# Altium PCB AL1000.PcbDoc (part 3 of 8) (continued)
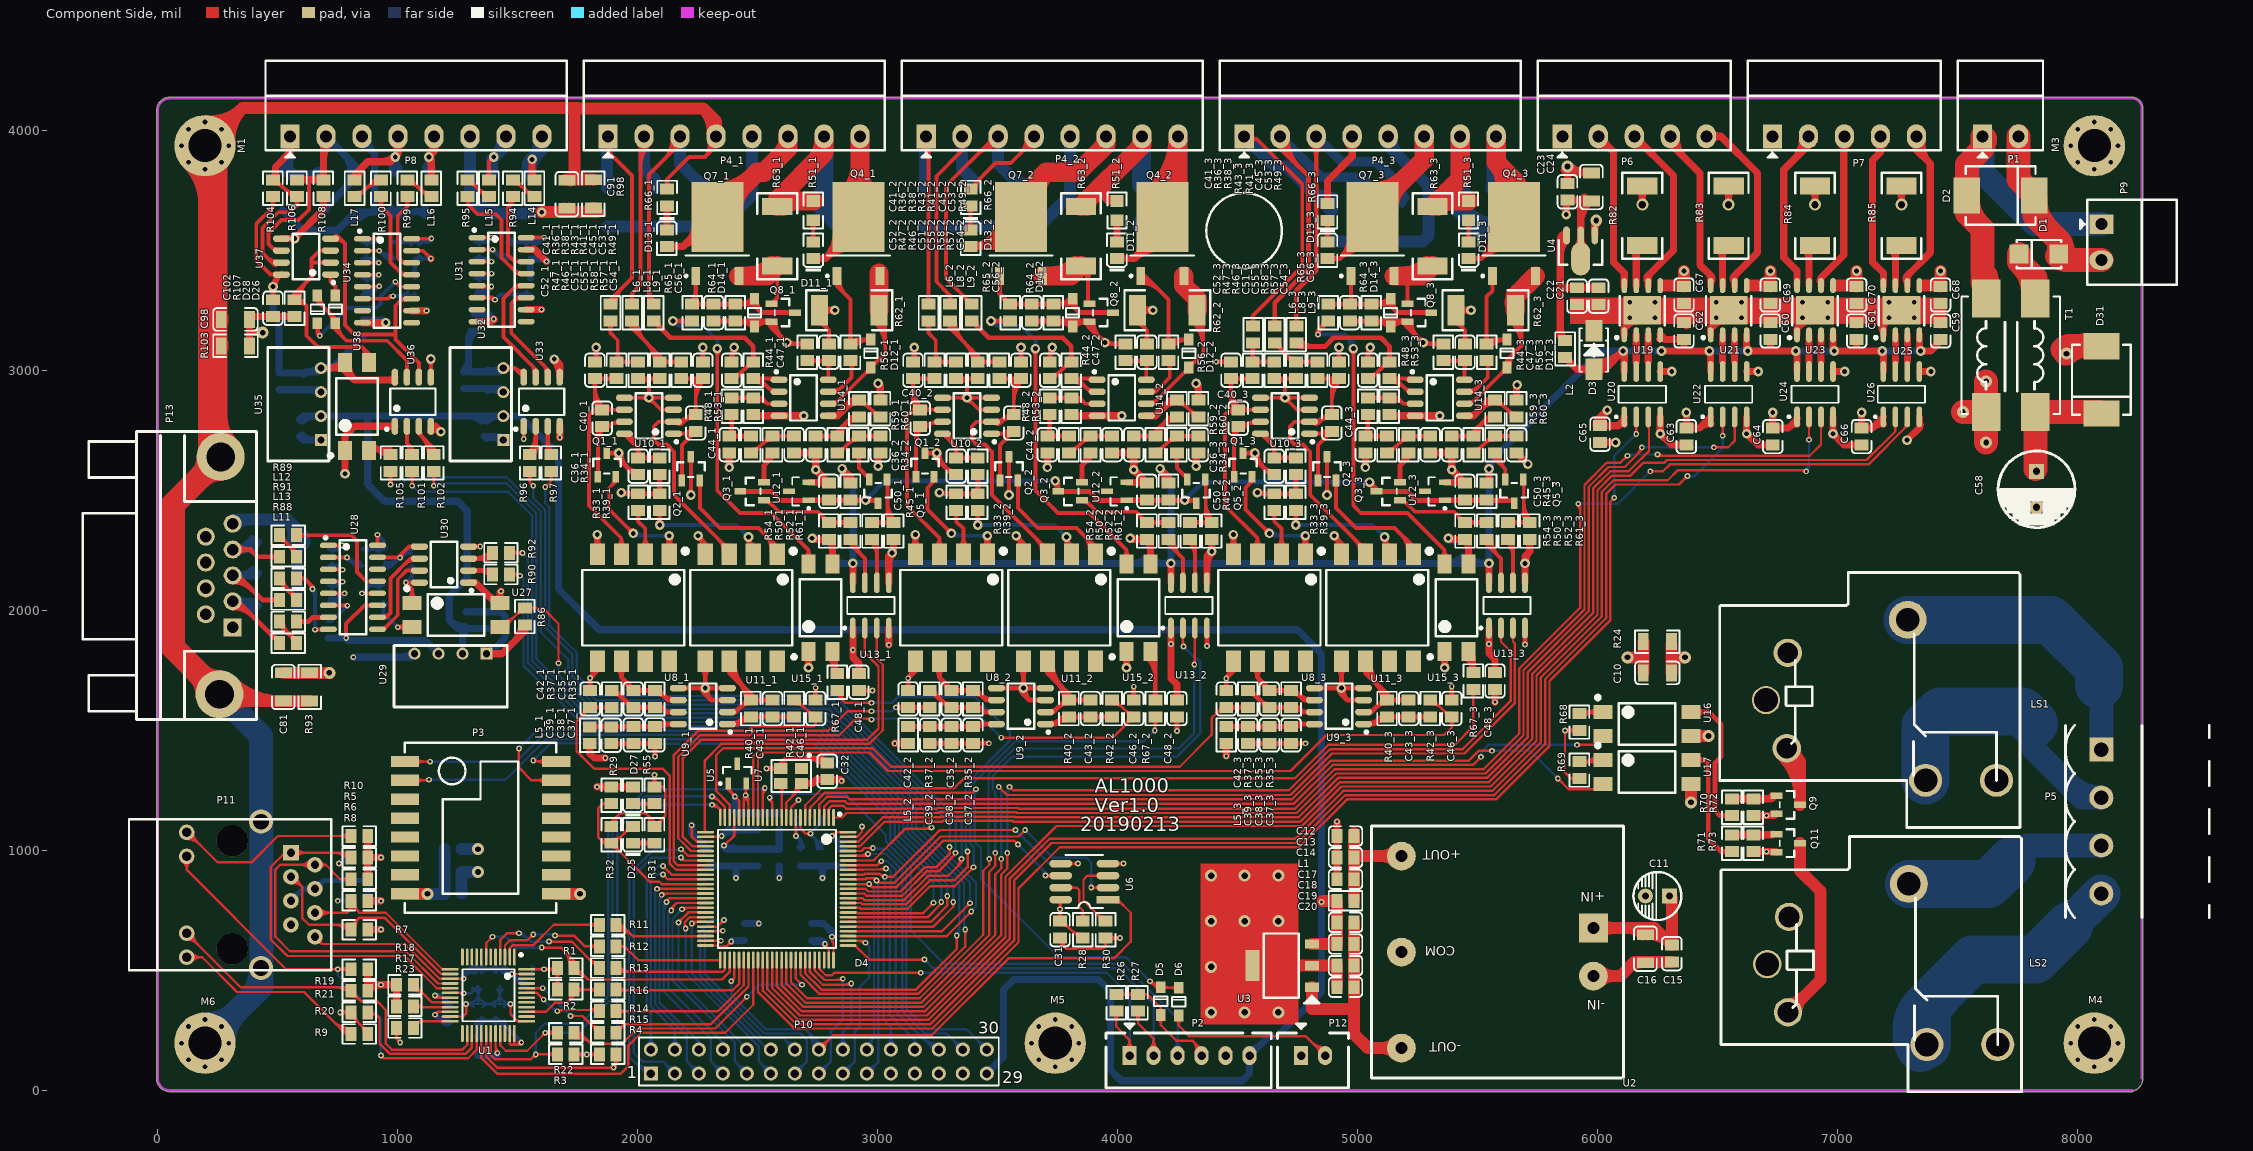
[diagram p0: Component Side view]
## Nets (pads, with @x,y where several pads share a name; then routed paths per layer and width w, separated by ;. In a path a pad name is that pad's centre, name@x,y a point inside that pad or via, vN(x,y) a via of type N, cw(c..) or ccw(c..) an arc to the next point about the centre after c; other vN are vias at no path point) (continued)
  Component Side w50: M1.5@124.05,3864.21 cw(c-216.23,3523.93) 265,3523.93 ; M1.5@127.95,3868.11 M1.1@196.85,3937.01 M1.7@265,4005.16 ; M1.1@159.41,3899.56 cw(c-95.52,3644.64) 265,3644.64 ; M1.1@194.76,3934.92 cw(c25.19,3765.35) 265,3765.35 ; M1.2@205.46,4039.6 ccw(c221.14,4226.4) 353.69,4093.85 ; P13.10@208.97,2693.03 ccw(c73.69,2828.31) 265,2828.31 ; P13.10@262,2640 265,2643 R103.2@265,3102.99 C98.2@265,3212.99 M1.7@265,4005.16 ; 265,2813.82 ccw(c435.82,2813.82) P13.10@315.03,2693.03 ; M1.8@265,3876.75 cw(c355.54,3876.75) M1.3@291.52,3940.77 ; M1.7@265,3997.27 ccw(c355.54,3997.27) M1.3@291.52,3933.25 ; P13.11@274.68,1668.68 ccw(c385.73,1779.73) 385.73,1622.68 ; P13.11@285.32,1622.68 C81.2@522.99,1622.68 R93.2@632.99,1622.68 ; M1.3@299.44,3945.62 cw(c486.25,3961.29) 353.69,4093.85 ; P13.11@310.03,1597.97 cw(c369.69,1538.31) 369.69,1622.68 ; P13.11@310.03,1704.03 ccw(c506.44,1900.44) C81.2@506.44,1622.68 ; C91.2@1702.01,3796.65 C91.2@1737.01,3796.65 ; C91.2@1720.14,3791.71 ccw(c1679.41,3832.44) 1737.01,3832.44 ; 1750,4093.86 353.7,4093.86 ; R98.2@1815,3795 1813.35,3796.65 C91.2@1737.01,3796.65 ; P4_1.4@2311.81,3987.41 ccw(c2176.64,3996.75) 2272.44,4092.56 ; P4_1.4@2326.77,3976.38 2326.77,4038.23 2272.44,4092.56 ; U2.2@5982.99,476.32 6095,476.32 6153.64,534.96 C15.1@6310,534.96 ; U2.2@6007.74,451.57 cw(c6067.49,391.83) 6067.49,476.32 cw(c6067.49,560.82) U2.2@6007.74,501.07 ; 6128.7,510.02 cw(c6186.81,451.91) C16.1@6186.81,534.09 ; C10.2@6308.66,1740 6308.66,1805 ; R24.2@6308.66,1860 6308.66,1805 ; v3(6365,1805) 6308.66,1805 ; v3(6389.41,1200.59) U17.3@6389.41,1277.01 ; U16.3@6389.41,1477.01 v3(6462.99,1477.01) ; M1.7@265,4005.16 M1.7@265.75,4005.91 353.7,4093.86 ; C91.2@1737.01,3796.65 1737.01,4092.56 2272.44,4092.56
  Component Side w100: M1.5@141.73,3881.89 cw(c-41.01,3699.15) 217.42,3699.15 ; M1.1@196.85,3937.01 217.42,3916.44 217.42,2684.58 P13.10@262,2640 63,2441 63,1845 P13.11@257,1651 P13.11@285.32,1622.68 ; P13.11@207,1651 ccw(c86.29,1651) 171.64,1736.36 ccw(c257,1821.71) P13.11@257,1701 ; P13.10@212,2640 cw(c91.29,2640) 176.64,2554.64 cw(c262,2469.29) P13.10@262,2590 ; 217.42,2868.33 ccw(c490.33,2868.33) P13.10@297.36,2675.36 ; 217.42,3041.95 cw(c312.86,3041.95) R103.2@245.37,3109.43 ; 217.42,3151.95 cw(c312.86,3151.95) C98.2@245.37,3219.43 ; 217.42,3164.04 ccw(c312.86,3164.04) R103.2@245.37,3096.55 ; 217.42,3274.04 ccw(c312.86,3274.04) C98.2@245.37,3206.55 ; 217.42,3798.48 cw(c335.38,3798.48) M1.8@251.97,3881.89 ; v3(7522.56,2827.56) T1.1@7620,2827.56 ; v3(7620,2700) T1.1@7620,2827.56 ; v3(7620,2955) T1.1@7620,2827.56 ; v3@7950,3070 v3(7955,3070) ; D31.1@8078.28,3097.21 ccw(c8037.96,2987.05) v3(7955,3070) ; D31.1@8100,3101.91 7986.91,3101.91 v3(7955,3070) ; 7937.32,3087.68 cw(c7971.68,3053.32) 7971.68,3101.91 ccw(c7971.68,3053.32) 7937.32,3087.68
  Solder Side w30: C49_1.1@2788.17,2274.69 ccw(c2726.78,2217.41) v2(2726.77,2301.38) 2778.66,2301.38 C49_1.1@2800,2280.04 ; C49_2.1@4113.13,2274.7 ccw(c4052.37,2218.84) v2(4052.36,2301.38) 4103.62,2301.38 C49_2.1@4125,2280 ; v2(5377.95,2301.38) 5389.29,2290.04 C49_3.1@5450,2290.04 ; v2@5381.49,2304.91 ccw(c5417.4,2340.82) 5417.4,2290.04
  Solder Side w50: D10_1.1@1871.77,3600.28 D9_1.1@2074.27,3600.28 D8_1.1@2276.77,3600.28 2345.67,3600.28 2476.77,3731.38 P4_1.5@2476.77,3976.38 ; D10_2.1@3197.36,3600.28 D9_2.1@3399.86,3600.28 D8_2.1@3602.36,3600.28 3671.26,3600.28 3802.36,3731.38 P4_2.5@3802.36,3976.38 ; D10_3.1@4895,3538.5 D9_3.1@5040,3538.5 D8_3.1@5185,3538.5 5273.5,3538.5 5295,3560 5295,3770 5127.95,3937.05 P4_3.5@5127.95,3976.38 ; P4_3.5@5142.95,3966.38 ccw(c5249.98,3966.38) 5174.3,3890.7
  Solder Side w100: M6.1@196.85,196.85 M6.7@265.75,265.75 433,433 433,1117 P11.13@430,1120 430,1478 P13.11@257,1651 63,1845 63,2441 P13.10@262,2640 ; M6.1@196.85,274.8 ccw(c196.85,463) 329.92,329.92 ccw(c463,196.85) M6.1@274.8,196.85 ; P13.11@207,1651 ccw(c86.29,1651) 171.64,1736.36 ccw(c257,1821.71) P13.11@257,1701 ; P13.10@212,2640 cw(c91.29,2640) 176.64,2554.64 cw(c262,2469.29) P13.10@262,2590 ; P13.11@257,1601 cw(c257,1480.29) 342.36,1565.64 cw(c427.71,1651) P13.11@307,1651 ; 373.43,373.43 ccw(c236.86,510) P11.14@430,510
  other v2: 5665,2940 6135,3220 6240,3220 6495,3220 6600,3220 6855,3220 6960,3220 7215,3220 7320,3220 6135,3285 6240,3285 6495,3285 6600,3285 6855,3285 6960,3285 7215,3285 7320,3285
GRS1: C74.2 C75.2 C78.2 C79.1 C80.1 C81.1 D15.1 D16.1 D17.1 P13.5 R93.1 U28.11 U28.15 U29.3 U30.5 | length 2352.2
  Component Side w16: v1(785.04,1884.96) 785.04,1945.04 861.34,2021.34 U28.11@915.51,2021.34 ; U28.15@915.51,2221.34 v1@1001.34,2221.34 ; 997.11,2221.34 cw(c997.11,2207.11) v1@1007.17,2217.17 ; v1@1005,2225 1046.34,2266.34 U30.5@1090.63,2266.34 ; v1@1014,2220 cw(c1047.8,2220) 1023.9,2243.9 ; U30.5@1064.89,2262.25 ccw(c1055.02,2252.39) 1055.02,2266.34 ccw(c1055.02,2280.29) U30.5@1064.89,2270.43
  Component Side w50: C81.1@522.99,1740 R93.1@632.99,1740 v3(715,1740)
  Solder Side w16: C74.2@942.99,2186.3 976.3,2186.3 ; C74.2@945.93,2183.81 ccw(c953.11,2231.97) 987.54,2197.54 ; C74.2@948.29,2199.63 ccw(c958.93,2271.06) v1(1010,2220) ; C74.2@957.16,2194.86 ccw(c976.3,2211.99) 976.3,2186.3 ; C74.2@958.45,2176.74 cw(c976.3,2164.86) 976.3,2186.3 ; v1@1013.45,2223.45 cw(c1053.9,2183.01) C75.2@1053.9,2240.2 ; v1@1013.86,2218.96 cw(c1027.36,2215.35) 1020.37,2227.45 ; C75.2@1060,2255.04 1045.04,2255.04 v1(1010,2220) ; 976.3,2186.3 v1(1010,2220)
  Solder Side w30: C80.1@710,1884.96 v1(785.04,1884.96) 794.96,1875.04 C79.1@880,1875.04 C78.2@970,1875.04 1114.96,1875.04 U29.3@1170,1820 ; v1@782.92,1882.84 ccw(c801.75,1901.67) 801.75,1875.04
  Solder Side w50: P13.5@312,2362 330,2380 540,2380 ; P13.5@320.84,2353.16 cw(c385.63,2288.37) 385.63,2380 ; D16.1@561.57,2293.07 ccw(c478.64,2318.64) 540,2380 ; D17.1@581.1,2020 D15.1@581.1,2155 D16.1@581.1,2290 581.1,2338.9 540,2380 ; D16.1@598.69,2321.31 cw(c568.35,2290.98) D16.1@609.35,2278.34
GRS2: C85.2 C86.2 C88.2 C89.1 C90.1 C91.1 D18.1 D19.1 P8.6 R98.1 U31.8 U31.10 U31.15 U32.3 U33.5 | length 2031.8
  Component Side w30: U31.8@1330.63,3203.86 1388.86,3203.86 v1(1400,3215) ; 1380.34,3203.86 ccw(c1380.34,3234.66) v1@1402.12,3212.88 ; U31.10@1535.35,3253.86 v1(1598.86,3253.86) ; U31.15@1535.35,3503.86 1571.14,3503.86 v1(1620,3455) ; U31.15@1558.98,3507.05 cw(c1558.98,3485.38) 1574.3,3500.7 ; v2@1648.96,3043.96 cw(c1586.11,2981.11) U33.5@1675,2981.11 ; v2@1651.78,3042.55 cw(c1647.84,3015.68) 1675,3015.68 ; v2(1652.5,3047.5) 1675,3025 U33.5@1675,2972.36
  Component Side w50: v2(1600,3660) R98.1@1797.32,3660 ; 1659.02,3660 ccw(c1659.02,3709.13) C91.1@1693.76,3674.39 ; C91.1@1716.24,3674.39 ccw(c1750.98,3709.13) 1750.98,3660 ; 1765.79,3660 ccw(c1765.79,3713.7) R98.1@1803.76,3675.73 ; R98.1@1815,3677.68 R98.1@1797.32,3660 ; R98.1@1832.32,3660 R98.1@1797.32,3660
  Solder Side w30: C89.1@1275,2924.96 C86.2@1365,2924.96 1425.04,2924.96 U32.3@1440,2910 ; C85.2@1320,3235.08 1379.92,3235.08 v1(1400,3215) ; C86.2@1375.02,2918.18 cw(c1388.29,2895.19) 1395.16,2920.83 ; C86.2@1379.74,2924.96 cw(c1379.74,2849.74) U32.3@1432.93,2902.93 ; C90.1@1552.99,3386.38 1552.99,3462.99 C88.2@1555,3465 ; 1552.99,3441.24 cw(c1578.76,3441.24) C88.2@1560.54,3459.46 ; C88.2@1565,3464.96 1610.04,3464.96 v1(1620,3455) ; 1603.2,3464.96 cw(c1603.2,3438.2) v1@1622.12,3457.12
  Solder Side w50: P8.6@1301.18,3976.38 1301.18,3725 1372.32,3653.86 D18.1@1392.99,3653.86 D19.1@1542.99,3653.86 1549.13,3660 v2(1600,3660) ; 1323.57,3702.62 ccw(c1392.99,3772.04) D18.1@1392.99,3673.86
GRS3: C95.2 C96.2 C97.1 C98.1 C100.2 C101.1 C102.1 D20.1 D21.1 D23.1 D24.1 P8.3 R103.1 R107.2 R108.2 U34.8 U34.10 U34.15 U35.3 U36.5 U37.5 | length 3233.9
  Component Side w16: U34.15@1057.72,3499.41 1104.92,3499.41 v1(1138.03,3466.3) ; v2@1129.51,3039.51 cw(c1109.02,3019.02) 1137.99,3019.02 cw(c1166.96,3019.02) v2@1146.48,3039.51 ; U36.5@1133.91,2998.1 ccw(c1124.04,3007.97) 1137.99,3007.97 ccw(c1151.95,3007.97) U36.5@1142.08,2998.1 ; U36.5@1137.99,2972.36 v2(1137.99,3047.99)
  Component Side w30: R103.1@382.32,3102.99 382.32,3157.99 ; v3(437.01,3157.99) 382.32,3157.99 ; U37.5@515.28,3550 v2(570,3550) 690,3670 R108.2@690,3724.96 ; R107.2@570,3224.96 C102.1@480,3224.96 394.29,3224.96 C98.1@382.32,3212.99 382.32,3157.99 ; U34.8@852.99,3199.41 949.41,3199.41 v2(950,3200) ; U34.10@1057.72,3249.41 v1(1119.41,3249.41) ; v1@1137.99,3466.26 v1(1138.03,3466.3)
  Solder Side w16: C97.1@1053.33,3394.94 ccw(c1005.86,3442.41) 1072.99,3442.41 ; C96.2@1062.5,3455.81 cw(c1037.18,3430.49) 1072.99,3430.49 cw(c1108.81,3430.49) C96.2@1083.48,3455.81 ; C97.1@1072.99,3386.38 C96.2@1072.99,3466.3 v1(1138.03,3466.3) ; C96.2@1089.58,3455.81 cw(c1114.91,3430.49) 1114.91,3466.3 cw(c1114.91,3502.11) C96.2@1089.58,3476.79
  Solder Side w30: C101.1@505,2919.96 C100.2@595,2919.96 670.04,2919.96 U35.3@680,2910 ; D24.1@520,3668.9 D24.1@540,3648.9 ; D24.1@540,3630 cw(c540,3584.38) D24.1@572.26,3616.64 ; D24.1@540,3660 D24.1@540,3648.9 ; D24.1@560.43,3650.43 ccw(c613.47,3650.43) 575.97,3612.93 ; 631.81,2919.96 cw(c631.81,2861.81) U35.3@672.93,2902.93 ; 769.96,3607.2 cw(c825,3552.15) D23.1@825,3630 ; D23.1@839.45,3635.98 cw(c898,3577.44) 898,3660.24 ; P8.3@851.18,3941.38 cw(c851.18,3906.88) 875.58,3931.27 ; P8.3@852.99,3953.86 902.99,3903.86 902.99,3662.99 ; C95.2@855,3210.04 939.96,3210.04 v2(950,3200) ; P8.3@876.18,3966.38 ccw(c962.39,3966.38) 901.43,3905.42 ; 913.69,3210.04 cw(c913.69,3163.69) v2@946.46,3196.46 ; 940.1,3660.24 cw(c940.1,3610.1) D20.1@975.55,3645.55 ; 941.24,3660.24 ccw(c941.24,3708.76) D20.1@975.55,3674.45 ; D20.1@1004.45,3645.55 cw(c1039.9,3610.1) 1039.9,3660.24 ; D20.1@1004.45,3674.45 ccw(c1038.76,3708.76) 1038.76,3660.24 ; 1087.32,3662.76 ccw(c1087.32,3702.68) D21.1@1115.55,3674.45 ; D21.1@1115.37,3645.74 ccw(c1075,3606.38) 1075,3662.76 ; D21.1@1130,3660 1127.24,3662.76 1075,3662.76 ; D24.1@540,3648.9 603.9,3585 747.76,3585 822.99,3660.24 1072.48,3660.24 1075,3662.76
NC: U2.4
NetC3_1: C3.1 C4.1 C5.1 C6.2 U1.18 U1.23 U1.37 | length 1558.7
  Component Side w10: U1.23@1218.54,307.76 1272.76,307.76 1285,320 v1(1285,360) ; U1.18@1218.54,406.18 1273.82,406.18 v1(1275,405) ; 1255.25,406.18 cw(c1255.25,385.25) v1@1270.05,400.05 ; 1260.95,406.18 ccw(c1260.95,419.05) v1@1270.05,409.95 ; v1@1280.05,355.05 cw(c1268.1,343.1) 1285,343.1 cw(c1301.9,343.1) v1@1289.95,355.05 ; v1@1465.05,355.05 cw(c1453.1,343.1) 1470,343.1 cw(c1486.9,343.1) v1@1474.95,355.05 ; v1(1470,360) 1470,318.07 1500,288.07 U1.37@1537.44,288.07 ; 1493.81,294.26 ccw(c1507.52,307.97) U1.37@1507.52,288.58
  Solder Side w10: v1(1275,405) 1305.04,405 ; v1@1279.95,400.05 cw(c1291.9,388.1) 1291.9,405 cw(c1291.9,421.9) v1@1279.95,409.95 ; v1(1285,360) C3.1@1335,360.04 ; v1@1285.75,360 ccw(c1285.75,403.19) C3.1@1316.29,372.65 ; v1@1285.94,360 cw(c1285.94,317.08) C3.1@1316.29,347.43 ; v1@1288.5,353.94 cw(c1297.36,338.59) 1301.95,355.71 ; v1@1288.5,366.06 ccw(c1297.28,381.27) 1301.82,364.31 ; v1@1289.95,355.05 cw(c1301.9,343.1) 1301.9,360 cw(c1301.9,376.9) v1@1289.95,364.95 ; v1@1291.06,356.5 cw(c1305.13,348.38) 1300.92,364.07 ; v1@1291.06,363.5 ccw(c1304.98,371.54) 1300.82,356.01 ; 1308.87,408.83 cw(c1328.9,388.8) C6.2@1328.9,417.13 ; C6.2@1311.7,430.22 cw(c1286.71,423.34) 1305.04,405 ; C3.1@1322.39,372.65 ccw(c1291.94,403.1) 1335,403.1 ccw(c1378.06,403.1) C3.1@1347.61,372.65 ; C6.2@1322.39,422.35 cw(c1291.94,391.9) 1335,391.9 cw(c1378.06,391.9) C6.2@1347.61,422.35 ; C3.1@1335,360.04 C4.1@1425,360.04 C4.1@1425,360.04 ; C3.1@1335,360.04 C6.2@1335,434.96 1305.04,405 ; C3.1@1353.71,347.43 cw(c1384.06,317.08) 1384.06,360 ; C3.1@1353.71,372.65 ccw(c1384.25,403.19) 1384.25,360 ; 1375.75,360 ccw(c1375.75,403.19) C4.1@1406.29,372.65 ; 1375.94,360 cw(c1375.94,317.08) C4.1@1406.29,347.43 ; C4.1@1412.39,372.65 ccw(c1381.94,403.1) 1425,403.1 ccw(c1468.06,403.1) C4.1@1437.61,372.65 ; C5.1@1412.39,422.35 cw(c1381.94,391.9) 1425,391.9 cw(c1468.06,391.9) C5.1@1437.61,422.35 ; C5.1@1425,434.96 C4.1@1425,360.04 ; C4.1@1444.63,348.41 cw(c1469.96,326.63) v1(1470,360) ; C4.1@1444.63,371.67 ccw(c1469.96,393.45) v1(1470,360) ; C4.1@1453.01,360.04 cw(c1453.01,343.01) v1@1465.05,355.05 ; C4.1@1453.2,360.04 ccw(c1453.2,376.8) v1@1465.05,364.95 ; C4.1@1453.55,355.64 cw(c1457.97,339.16) v1@1466.5,353.94 ; C4.1@1453.62,364.42 cw(c1449.22,348) v1@1463.94,356.5 ; C4.1@1453.75,364.38 ccw(c1458.1,380.62) v1@1466.5,366.06 ; C4.1@1453.78,355.7 ccw(c1449.45,371.87) v1@1463.94,363.5 ; C4.1@1425,360.04 v1(1470,360)
NetC12_2: C12.2 C13.2 C14.2 L1.1 U2.5 | length 609.7
  Component Side w50: L1.1@4985.04,790 C14.2@4985.04,880 C13.2@4985.04,970 C12.2@4985.04,1060 C12.2@4985.04,1072.65 ; C13.2@4988.72,976.32 U2.5@5182.99,976.32 ; U2.5@5158.24,951.57 ccw(c5098.49,891.83) 5098.49,976.32 ccw(c5098.49,1060.82) U2.5@5158.24,1001.07
NetC21_2: C21.2 C22.2 L2.1 U4.3 | length 845.6
  Component Side w30: 5845.04,3177.41 ccw(c5911.27,3177.41) L2.1@5864.44,3130.58 ; 5845.04,3480.21 cw(c5930.54,3480.21) U4.3@5870.08,3540.67 ; 5845.04,3513.8 cw(c5872.3,3513.8) U4.3@5870.88,3541.02 ; 5845.04,3545.4 cw(c5870.65,3545.4) U4.3@5869.32,3570.98 ; L2.1@5865,3125.04 5845.04,3145 5845.04,3345.04 ; U4.3@5870.94,3563.43 5845.04,3537.52 ; U4.3@5871.57,3540.85 ccw(c5860.45,3522.11) 5845.04,3537.52 ; C21.2@6005,3345.04 C22.2@5915,3345.04 5845.04,3345.04 ; 5845.04,3345.04 5845.04,3537.52
NetC33_2: C33.2 C34.1 L4.1 P3.8 | length 350.2
  Component Side w50: P3.8@1030.04,819.41 v3(1124.41,819.41)
  Solder Side w50: v3(1124.41,819.41) 1194.37,819.41 C33.2@1194.96,820 C34.1@1194.96,910 L4.1@1194.96,1005
NetC35_1_1: C35_1.1 R35_1.2 U8_1.6 U9_1.6 | length 661.8
  Component Side w20: U8_1.6@1916.57,1760 cw(c1879.88,1723.3) 1931.77,1723.3 cw(c1983.67,1723.3) U8_1.6@1946.97,1760 ; U8_1.6@1931.77,1788.98 1931.77,1721.42 C35_1.1@1986.73,1666.46 ; 1945.94,1707.25 cw(c1905.14,1666.46) C35_1.1@1962.83,1666.46 ; C35_1.1@1981.77,1666.46 C35_1.1@1986.73,1666.46 ; C35_1.1@1996.95,1657.38 cw(c2018.86,1635.47) 2018.86,1666.46 cw(c2018.86,1697.44) C35_1.1@1996.95,1675.53 ; R35_1.2@2056.59,1657.38 ccw(c2034.68,1635.47) 2034.68,1666.46 ccw(c2034.68,1697.44) R35_1.2@2056.59,1675.53 ; R35_1.2@2077.87,1653.62 cw(c2077.87,1601.25) 2114.91,1638.28 ; 2105.48,1647.71 ccw(c2147.76,1689.98) U9_1.6@2147.76,1630.2 ; U9_1.6@2169.41,1626.42 2126.77,1626.42 2086.73,1666.46 R35_1.2@2071.77,1666.46 C35_1.1@1986.73,1666.46
NetC35_1_2: C35_1.2 R35_1.1 R37_1.1 U9_1.7 | length 571.5
  Component Side w20: R37_1.1@1891.77,1666.46 1904.54,1666.46 1974.62,1596.38 C35_1.2@1981.77,1596.38 R35_1.1@2071.77,1596.38 2101.81,1596.38 ; R37_1.1@1897.87,1653.62 cw(c1897.87,1606.53) 1931.17,1639.83 ; 1951.97,1619.03 ccw(c1975.67,1642.72) C35_1.2@1975.67,1609.21 ; C35_1.2@1954.5,1616.5 cw(c1934.38,1596.38) C35_1.2@1962.83,1596.38 ; C35_1.2@1996.95,1587.3 cw(c2018.86,1565.39) 2018.86,1596.38 cw(c2018.86,1627.36) C35_1.2@1996.95,1605.45 ; R35_1.1@2056.59,1587.3 ccw(c2034.68,1565.39) 2034.68,1596.38 ccw(c2034.68,1627.36) R35_1.1@2056.59,1605.45 ; R35_1.1@2082.64,1584.46 cw(c2096.1,1550.75) 2121.77,1576.42 ; R35_1.1@2088.56,1589.28 cw(c2101.81,1580.48) 2101.81,1596.38 ; R35_1.1@2088.56,1603.48 ccw(c2101.81,1612.28) 2101.81,1596.38 ; U9_1.7@2169.41,1576.42 2121.77,1576.42 ; 2101.81,1596.38 2121.77,1576.42
NetC35_2_1: C35_2.1 R35_2.2 U8_2.6 U9_2.6 | length 661.8
  Component Side w20: U8_2.6@3242.16,1760 cw(c3205.47,1723.3) 3257.36,1723.3 cw(c3309.26,1723.3) U8_2.6@3272.56,1760 ; U8_2.6@3257.36,1788.98 3257.36,1721.42 C35_2.1@3312.32,1666.46 ; 3271.53,1707.25 cw(c3230.73,1666.46) C35_2.1@3288.43,1666.46 ; C35_2.1@3307.36,1666.46 C35_2.1@3312.32,1666.46 ; C35_2.1@3322.54,1657.38 cw(c3344.45,1635.47) 3344.45,1666.46 cw(c3344.45,1697.44) C35_2.1@3322.54,1675.53 ; R35_2.2@3382.18,1657.38 ccw(c3360.27,1635.47) 3360.27,1666.46 ccw(c3360.27,1697.44) R35_2.2@3382.18,1675.53 ; R35_2.2@3403.46,1653.62 cw(c3403.46,1601.25) 3440.5,1638.28 ; 3431.07,1647.71 ccw(c3473.35,1689.98) U9_2.6@3473.35,1630.2 ; U9_2.6@3495,1626.42 3452.36,1626.42 3412.32,1666.46 R35_2.2@3397.36,1666.46 C35_2.1@3312.32,1666.46
NetC35_2_2: C35_2.2 R35_2.1 R37_2.1 U9_2.7 | length 571.5
  Component Side w20: R37_2.1@3217.36,1666.46 3224.51,1666.46 3294.59,1596.38 C35_2.2@3307.36,1596.38 R35_2.1@3397.36,1596.38 3427.4,1596.38 ; R37_2.1@3223.46,1653.62 cw(c3223.46,1620.11) 3247.16,1643.81 ; R37_2.1@3236.3,1666.46 ccw(c3264.76,1666.46) R37_2.1@3244.63,1646.33 ; 3267.96,1623 ccw(c3301.26,1656.3) C35_2.2@3301.26,1609.21 ; C35_2.2@3322.54,1587.3 cw(c3344.45,1565.39) 3344.45,1596.38 cw(c3344.45,1627.36) C35_2.2@3322.54,1605.45 ; R35_2.1@3382.18,1587.3 ccw(c3360.27,1565.39) 3360.27,1596.38 ccw(c3360.27,1627.36) R35_2.1@3382.18,1605.45 ; R35_2.1@3408.23,1584.46 cw(c3421.69,1550.75) 3447.36,1576.42 ; R35_2.1@3414.15,1589.28 cw(c3427.4,1580.48) 3427.4,1596.38 ; R35_2.1@3414.15,1603.48 ccw(c3427.4,1612.28) 3427.4,1596.38 ; U9_2.7@3495,1576.42 3447.36,1576.42 ; 3427.4,1596.38 3447.36,1576.42
NetC35_3_1: C35_3.1 R35_3.2 U8_3.6 U9_3.6 | length 661.8
  Component Side w20: U8_3.6@4567.75,1760 cw(c4531.06,1723.3) 4582.95,1723.3 cw(c4634.85,1723.3) U8_3.6@4598.15,1760 ; U8_3.6@4582.95,1788.98 4582.95,1721.42 C35_3.1@4637.91,1666.46 ; 4597.12,1707.25 cw(c4556.32,1666.46) C35_3.1@4614.02,1666.46 ; C35_3.1@4632.95,1666.46 C35_3.1@4637.91,1666.46 ; C35_3.1@4648.13,1657.38 cw(c4670.04,1635.47) 4670.04,1666.46 cw(c4670.04,1697.44) C35_3.1@4648.13,1675.53 ; R35_3.2@4707.78,1657.38 ccw(c4685.86,1635.47) 4685.86,1666.46 ccw(c4685.86,1697.44) R35_3.2@4707.78,1675.53 ; R35_3.2@4729.06,1653.62 cw(c4729.06,1601.25) 4766.09,1638.28 ; 4756.66,1647.71 ccw(c4798.94,1689.98) U9_3.6@4798.94,1630.2 ; U9_3.6@4820.59,1626.42 4777.95,1626.42 4737.91,1666.46 R35_3.2@4722.95,1666.46 C35_3.1@4637.91,1666.46